# Altium PCB JP-QDB.PcbDoc
Units mm, origin at the board's own origin, x right, y up, seen from the top; angles counter-clockwise.
Board outline 116.48 x 76.48 mm, 2 copper layers (Top Layer, Bottom Layer); 80 components, 54 nets, 235 pads, 0 vias.
Unrouted connection lines stored in the file: 7.
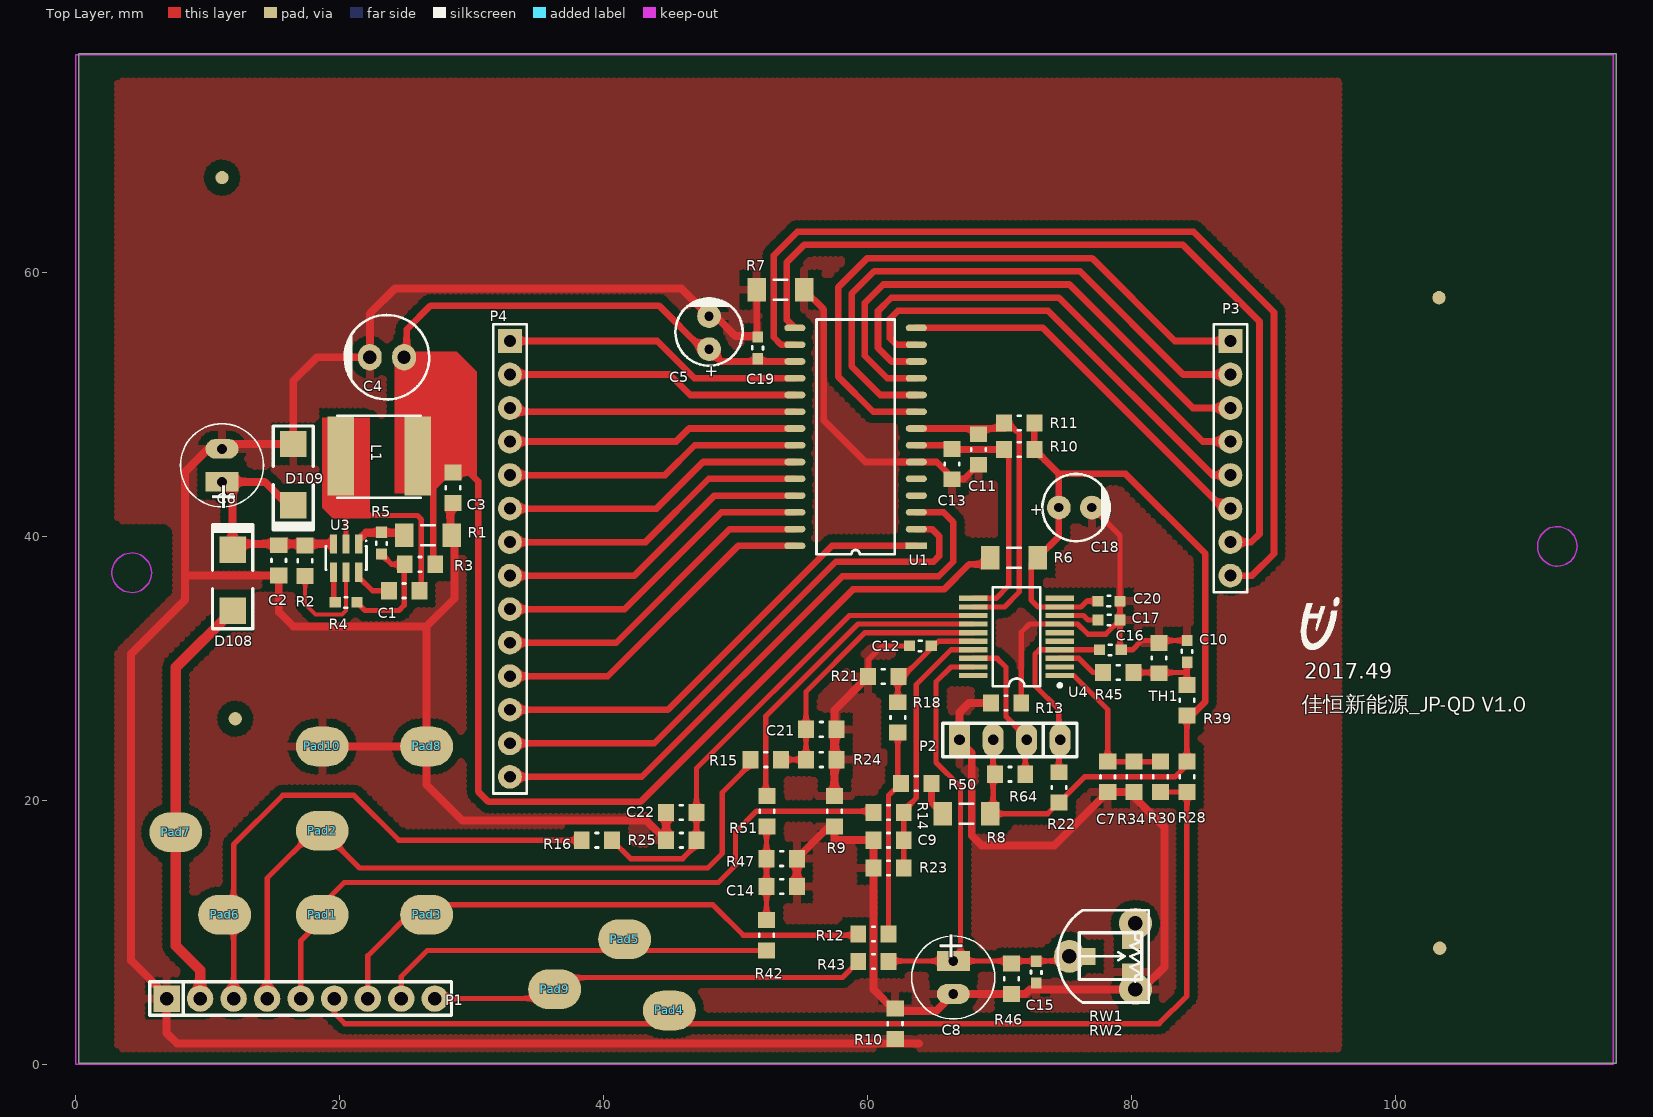
[diagram p0: Top Layer view]
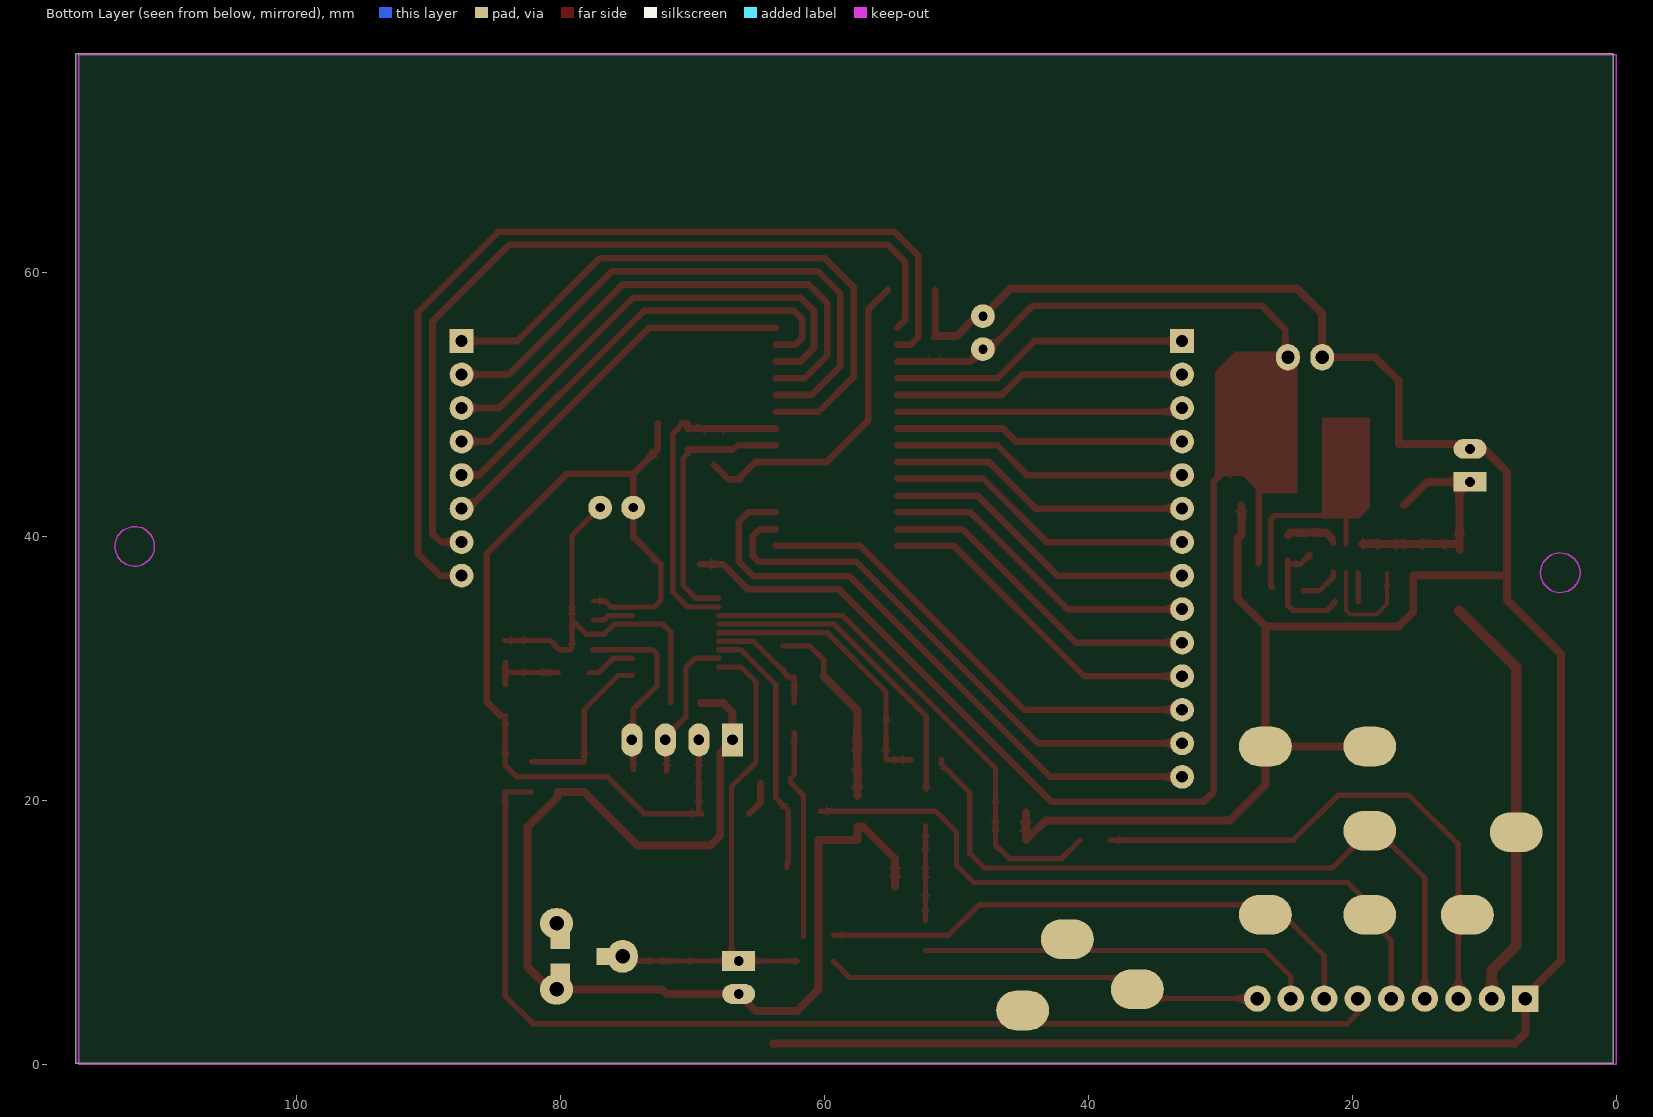
[diagram p1: Bottom Layer view, seen from below]

## Layer stack, top to bottom
Top Solder: solder mask 0.0102, Solder Resist, Dk 3.5
Top Layer: signal copper 0.0356
Dielectric1: dielectric 0.32, FR-4, Dk 4.8
Bottom Layer: signal copper 0.0356
Bottom Solder: solder mask 0.0102, Solder Resist, Dk 3.5

## Board outline
116.7,76.553 116.7,0.077 0.224,0.077 0.224,76.553

## Design rules (kind name [scope] priority, off if disabled: settings)
Clearance [All] p1: gap=0.2
MinimumSolderMaskSliver [All] p1 off: minsoldermaskwidth=0.254
PolygonConnect [All] p1: connectstyle=Relief reliefconductorwidth=0.6 reliefentries=4 polygonreliefangle="90 Angle" airgapwidth=0.6
RoutingVias [All] p1: holewidth=0.711 width=1.27 viastyle="Through Hole" minholewidth=0.711 minwidth=1.27 maxholewidth=0.711 maxwidth=1.27
SilkToSilkClearance [All] p1 off: silktosilkclearance=0.254
SilkToSolderMaskClearance [IsPad] p1 off: minsilkscreentomaskgap=0.254 clearancetoexposedcopper=TRUE
SolderMaskExpansion [All] p1: expansion=0.102
Width [All] p1: maxlimit=254 minlimit=0.254 preferedwidth=0.4
27 further rules are at their usual default settings.

## Components (designator, comment, footprint, x,y, rotation, side; value= is the part's Value field where it differs from the comment)
C1 "1uF" 0805 24.876,35.876 r180 top
C2 "100nF" 0805 15.376,38.176 r270 top
C3 "100nF" 0805 28.576,43.676 r270 top
C4 "220uF/10V" CE-D6.4 24.876,53.576 r180 top
C5 "47uF/10V" CE-D5.2 47.976,54.176 r90 top
C6 "100uF/25V" RB.1/.2 11.076,45.376 r90 top
C7 "100nF" 0805 78.176,21.776 r270 top
C8 "47uF/10V" RB.1/.2 66.476,6.576 r270 top
C9 "100nF" 0805 61.576,16.976 r180 top
C10 "10nF 10V" 0603 84.176,31.276 r90 top
C11 "100p" 0805 68.376,46.576 r90 top
C12 "NI 1nF 10V" 0603 63.976,31.676 r180 top
C13 "100p" 0805 66.376,45.476 r90 top
C14 "100nF" 0805 53.476,13.476 r0 top
C15 "10nF" 0603 72.776,6.976 r270 top
C16 "100n" 0603 78.376,31.376 r180 top
C17 "100n" 0603 78.276,33.676 r0 top
C18 "47uF/10V" CE-D5.2 74.476,42.176 r0 top
C19 "100n" 0603 51.676,54.276 r270 top
C20 "100n" 0603 78.276,35.076 r180 top
C21 "100nF" 0805 56.476,25.376 r0 top
C22 "100nF" 0805 45.876,19.076 r180 top
D108 "M4" SMA 11.876,36.676 r270 top
D109 "SMAJ16A" SMA 16.476,44.676 r90 top
L1 "SLF6045T-6R8N2R0-3PF" L6025 20.076,46.076 r0 top
P1 "Header 9" SIP9 6.876,4.976 r0 top
P2 "Header 4" SIP4 74.576,24.576 r180 top
P3 "Header 8" HDR1X8 87.476,54.799 r270 top
P4 "Header 14" HDR1X14 32.888,54.799 r270 top
Pad1 "Light" PAD 18.676,11.32 r180 top
Pad2 "L" PAD 18.676,17.698 r180 top
Pad3 "Data" PAD 26.576,11.32 r0 top
Pad4 "M" PAD 44.976,4.076 r180 top
Pad5 "M" PAD 41.576,9.476 r0 top
Pad6 "Right" PAD 11.276,11.32 r180 top
Pad7 "Data" PAD 7.576,17.576 r0 top
Pad8 "Data" PAD 26.576,24.076 r180 top
Pad9 "Speed" PAD 36.276,5.676 r180 top
Pad10 "Data" PAD 18.676,24.076 r180 top
R1 "0R" 1206 26.676,40.076 r180 top
R2 "100k 1%" 0805 17.376,38.152 r270 top
R3 "40.2k 1%" 0805 26.076,37.876 r180 top
R4 "10k" 0603 20.476,34.976 r180 top
R5 "7.68k 1%" 0603 23.176,39.476 r270 top
R6 "0R" 1206 71.076,38.376 r0 top
R7 "0R" 1206 53.376,58.676 r0 top
R8 "0R" 1206 67.476,18.976 r0 top
R9 "0R" 0805 57.476,19.176 r90 top
R10 "0R" 0805 62.076,3.076 r270 top
R10 "10k 1%" 0805 71.476,46.576 r0 top (schematic designator "R10 1%")
R11 "10k 1%" 0805 71.476,48.576 r0 top
R12 "0R" 0805 60.426,9.876 r0 top
R13 "0R" 0805 70.476,27.376 r180 top
R14 "51k" 0805 61.576,19.076 r180 top
R15 "51k" 0805 52.276,23.076 r180 top
R16 "51k" 0805 39.476,16.976 r180 top
R18 "10k 125mW" 0805 62.276,26.276 r270 top
R21 "NI 33k 125mW" 0805 61.176,29.376 r180 top
R22 "33k" 0805 74.476,20.976 r270 top
R23 "33k" 0805 61.576,14.876 r180 top
R24 "33k" 0805 56.476,23.076 r0 top
R25 "33k" 0805 45.876,16.976 r180 top
R28 "33k" 0805 84.176,21.776 r270 top
R30 "10k" 0805 82.176,21.776 r270 top
R34 "NI 10k" 0805 80.176,21.776 r270 top
R39 "10k 125mW 1%" 0805 84.176,27.576 r270 top
R42 "100k 1%" 0805 52.326,9.776 r270 top
R43 "100k 1%" 0805 60.426,7.776 r180 top
R45 "10k 125mW" 0805 78.976,29.676 r0 top
R46 "3.3k 1%" 0805 70.876,6.476 r270 top
R47 "3.3k 1%" 0805 53.476,15.576 r0 top
R50 "33k 125mW" 0805 63.676,21.276 r180 top
R51 "10k" 0805 52.376,19.176 r270 top
R64 "10k 1%" 0805 70.776,21.976 r0 top
RW1 "10K" ADJRES 77.976,5.876 r90 top
RW2 "10K" RW1 80.276,5.676 r90 top
TH1 "SDNT2012X103F3450FTF" 0805 82.076,30.776 r270 top
U1 "TM1640" SOP28 63.676,39.276 r180 top
U3 "BL8032CB6TR" SOT23-6 20.476,38.352 r180 top
U4 "STM8S003F3P6TR" SSOP20 71.276,32.376 r90 top

## Footprints (in the part's own frame and the unit in brackets; to place one, negate y for a bottom-side part, rotate by r counter-clockwise, add the part's x,y. Pads: shape width x height; smd on the part's side, far side on the other; paste and mask are expansions set on the pad)
0603 [mm] "Chip Capacitor, 2-Leads, Body 1.6x0.9mm, IPC Medium Density"
  rect 0.85x0.8 smd: 1(-0.826,-0.018) 2(0.826,-0.018)
  silkscreen extent -0.1,-0.42 0.12,0.38, body extent -0.8,-0.42 0.8,0.43, height 0.45
0805 [mm] "Chip Resistor, 2-Leads, Body 1.6x0.9mm, IPC Medium Density"
  rect 1.2x1.3 smd: 1(-1.15,0) 2(1.15,0)
  silkscreen extent -0.1,-0.55 0.1,0.55, body extent -0.9,-0.55 0.94,0.55, height 0.45
1206 [mm]
  rect 1.4x1.8 smd: 1(-1.8,0) 2(1.8,0)
  silkscreen extent -0.5,-0.75 0.5,0.75, body extent -1.65,-0.88 1.65,0.87, height 0.55
ADJRES [mm]
  rect 1.3x1.5 all layers, no hole: 1(2.3,1.475) 2(3.5,-2.025) 3(1.1,-2.025)
  silkscreen extent 0.55,-2.78 4.07,1.95
CE-D5.2 [mm] "100uF/16V"
  round 1.8 hole 0.7: 1(0,0) 2(2.5,0)
  silkscreen extent -1.25,-2.55 3.85,2.55
CE-D6.4 [mm]
  oval 1.8x2 hole 1: 1(0.003,0.012) 2(2.603,0.012)
  silkscreen extent -1.9,-3.19 4.5,3.21
HDR1X8 [mm] "Connector; Header; 8 Position"
  rect 1.8x1.8 hole 0.9: 1(0,0)
  round 1.8 hole 0.9: 2(2.54,0) 3(5.08,0) 4(7.62,0) 5(10.16,0) 6(12.7,0) 7(15.24,0) 8(17.78,0)
  silkscreen extent -1.27,-1.27 19.05,1.27
HDR1X14 [mm] "Connector; Header; 14 Position"
  rect 1.8x1.8 hole 0.9: 1(0,0)
  round 1.8 hole 0.9: 2(2.54,0) 3(5.08,0) 4(7.62,0) 5(10.16,0) 6(12.7,0) 7(15.24,0) 8(17.78,0) 9(20.32,0) 10(22.86,0) 11(25.4,0) 12(27.94,0) 13(30.48,0) 14(33.02,0)
  silkscreen extent -1.27,-1.27 34.29,1.27
L6025 [mm]
  rect 2x6 smd: 1(0,0) 2(5.826,0)
  Top Layer pour cut-out: 1.016,1.524 4.826,1.524 4.826,-1.524 1.016,-1.524
  silkscreen extent -0.26,-3.15 6.06,3.05, body extent -0.08,-3 5.92,3, height 4
PAD [mm]
  oval 4x3 all layers, no hole: 1(0,0)
RB.1/.2 [mm] "100uF/16V"
  rect 1.5x2.5 hole 0.75: 1(-1.25,0)
  oval 1.5x2.5 hole 0.75: 2(1.25,0)
  silkscreen extent -3.15,-3.15 3.15,3.15
RW1 [mm]
  oval 2.3x2.5 hole 1.1: 1(0,0) 2(5,0)
  oval 2.5x2.3 hole 1.1: 3(2.5,5)
  silkscreen extent -1,-1 6,5.89
SIP4 [mm]
  oval 1.6x2.5 hole 0.813: 1(0,0) 2(2.54,0) 3(5.08,0)
  rect 1.6x2.5 hole 0.813: 4(7.62,0)
  silkscreen extent -1.27,-1.27 8.89,1.27
SIP9 [mm]
  rect 2x2 hole 1.016: 1(0,0)
  round 2 hole 1.016: 2(2.54,0) 3(5.08,0) 4(7.62,0) 5(10.16,0) 6(12.7,0) 7(15.24,0) 8(17.78,0) 9(20.32,0)
  silkscreen extent -1.27,-1.27 21.59,1.27
SMA [mm] "Molded Diode, 2-Leads, Body 5.2x2.6mm, IPC Medium Density"
  rect 2x2 smd: 1(2.318,0) 2(-2.318,0)
  silkscreen extent -4.19,-1.52 3.68,1.52
SOP28 [mm]
  rect 1.6x0.5 smd: 1(0,0)
  oval 1.6x0.5 smd: 2(0,-1.27) 3(0,-2.54) 4(0,-3.81) 5(0,-5.08) 6(0,-6.35) 7(0,-7.62) 8(0,-8.89) 9(0,-10.16) 10(0,-11.43) 11(0,-12.7) 12(0,-13.97) 13(0,-15.24) 14(0,-16.51) 15(9.2,-16.51) 16(9.2,-15.24) 17(9.2,-13.97) 18(9.2,-12.7) 19(9.2,-11.43) 20(9.2,-10.16) 21(9.2,-8.89) 22(9.2,-7.62) 23(9.2,-6.35) 24(9.2,-5.08) 25(9.2,-3.81) 26(9.2,-2.54) 27(9.2,-1.27) 28(9.2,0)
  silkscreen extent 1.63,-17.14 7.57,0.64
SOT23-6 [mm] "SOT-457/SC-74; 6 Leads; Body 3.1 x 3.2 mm, inc. leads (LxW max)"
  rect 0.55x1.45 smd: 1(-0.95,-1.075) 2(0,-1.075) 3(0.95,-1.075) 4(0.95,1.075) 5(0,1.075) 6(-0.95,1.075)
  silkscreen extent -1.58,-1.35 1.55,0.9
SSOP20 [mm] "SSOP, Plastic; 20 Leads; Body Width 5.3 mm; Pitch 0.65 mm"
  rect 0.4x2.15 smd: 1(-2.925,-3.275) 2(-2.275,-3.275) 3(-1.625,-3.275) 4(-0.975,-3.275) 5(-0.325,-3.275) 6(0.325,-3.275) 7(0.975,-3.275) 8(1.625,-3.275) 9(2.275,-3.275) 10(2.925,-3.275) 11(2.925,3.275) 12(2.275,3.275) 13(1.625,3.275) 14(0.975,3.275) 15(0.325,3.275) 16(-0.325,3.275) 17(-0.975,3.275) 18(-1.625,3.275) 19(-2.275,3.275) 20(-2.925,3.275)
  silkscreen extent -3.8,-3.4 3.75,1.8

## Part data
C1: library part WHLCAP
C2 C3 C7 C9 C10 C12 C14 C15 C17 C21 C22: library part CAP, "Capacitor"
C4 C6 C8: library part ELECTRO1, "Electrolytic Capacitor"
C5 C18: library part Capacitor
C11 C13 C16 C19 C20: library part Cap
D108: library part DIODE, "Diode"
D109: library part DO-214AC_SMAJ, "5.1V,500mW,323"
L1: library part WHLL
P1: "Header, 9-Pin"
P2: "Header, 4-Pin"
P3: "Header, 8-Pin"
P4: "Header, 14-Pin"
Pad1 Pad2 Pad3 Pad4 Pad5 Pad6 Pad7 Pad8 Pad9 Pad10: library part CON1, "Connector"
R1 R2 R3 R4 R5 R6 R7 R8 R9 R10 R12 R13 R14 R15 R16 R18 R21 R22 R23 R24 R25 R28 R30 R34 R42 R43 R45 R46 R47 R50 R51 R64: library part WHLRES
R10 R11: library part RES1
R39: library part Res2, "Resistor"
RW1 RW2: library part RW1
TH1: library part "Res Varistor", "Varistor (Voltage-Sensitive Resistor)"
U3: library part BL8032
U4: library part STM8S003F3P6

## Free pads (board coordinates)
  round 1 smd: 0(11.076,67.176) 0(12.076,26.176)
  round 1.016 smd: 0(103.276,58.076) 0(103.328,8.793)
  round 2.2 on Top Solder: 1(11.103,67.168) 1(12.051,26.151) 1(103.303,8.768) 1(103.303,58.068)

## Nets (pads, with @x,y where several pads share a name; then routed paths per layer and width w, separated by ;. In a path a pad name is that pad's centre, name@x,y a point inside that pad or via, vN(x,y) a via of type N, cw(c..) or ccw(c..) an arc to the next point about the centre after c; other vN are vias at no path point)
+5V: C3.1 C4.1 C5.1 C18.1 C19.2 C20.2 L1.2 P2.3 R3.1 R6.1 R6.2 R8.1 R8.2 R10.2@72.626,46.576 R11.2 R22.2 R28.1 R39.2 R50.1 R64.1 U1.17 U4.9 | length 199.5
  Top Layer w0.4: R8.2 73.626,18.976 R22.2 76.426,21.776 83.276,21.776 84.176,22.676 R28.1 R39.2 ; P2.3@69.396,24.576 P2.3@69.396,25.476 ; R8.2@69.496,19.196 P2.3 ; R6.2 72.676,38.176 72.376,37.876 72.376,35.176 72.901,34.651 U4.9 76.151,34.651 76.594,35.094 C20.2
  Top Layer w0.5: L1.2@26.173,46.347 25.076,47.445 25.076,55.676 26.876,57.476 44.176,57.476 47.476,54.176 C5.1 48.906,53.246 U1.17 ; L1.2@26.252,44.826 C3.1 29.826,44.826 30.476,44.176 30.476,20.676 31.276,19.876 42.776,19.876 58.876,35.976 65.776,35.976 67.676,37.876 R6.1@69.376,37.876 ; R3.1@27.076,37.976 27.076,44.252 ; 64.826,20.526 R50.1 64.826,19.826 R8.1 ; R11.2 72.626,46.576 74.476,44.726 ; R6.2@72.676,38.176 R6.2@72.876,38.176 ; R6.2 74.476,39.976 74.476,44.726 ; R39.2@84.526,26.426 85.576,27.476 85.576,38.676 79.526,44.726 74.476,44.726
+12V: D108.1 P1.2 Pad7.1 | length 31.9
  Top Layer w0.8: P1.2 9.416,7.136 7.576,8.976 Pad7.1 7.576,30.058 D108.1
+12V_IN: C2.1 C6.1 D108.2 D109.2 R2.1 U3.3 | length 18.7
  Top Layer w0.6: C6.1@10.776,44.126 14.308,44.126 D109.2@16.076,42.358 ; D108.2 D108.2@11.876,39.427 ; C6.1@11.876,44.276 D108.2@11.876,39.427 ; U3.3@19.276,39.427 D108.2@11.876,39.427
+B: P1.8 Pad5.1 R42.2 | length 30.2
  Top Layer w0.4: P1.8 24.656,6.656 26.626,8.626 R42.2
AD_B+: R51.1 U4.14 | length 24.1
  Top Layer w0.4: R51.1@52.276,20.876 52.276,26.376 59.251,33.351 U4.14
DATA1: C12.1 R18.1 R21.1 U4.16 | length 8.5
  Top Layer w0.4: R18.1 R21.1@62.276,29.326 ; R21.1@62.576,29.276 65.351,32.051 U4.16
DATA1_CN: P1.7 Pad3.1 R12.1 | length 43
  Top Layer w0.4: P1.7 22.116,8.216 25.976,12.076 48.276,12.076 50.576,9.776 R12.1@59.276,9.776
DIN: C13.2 R10.1@70.326,46.576 U1.7 U4.11 | length 19.8
  Top Layer w0.4: U4.11 69.701,35.301 70.676,36.276 70.676,37.276 70.676,37.576 70.676,45.926 R10.1@70.326,46.276
  Top Layer w0.5: U1.7 C13.2@66.5,46.896 ; C13.2@66.876,46.626 66.926,46.576 70.326,46.576 R10.1@70.326,46.276
GND: C2.2 C3.2 C4.2 C5.2 C6.2 C7.2 C8.2 C9.2 C10.2 C11.1 C12.2 C13.1 C14.2 C15.2 C16.1 C17.2 C18.2 C19.1 C20.1 C21.2 C22.2 D109.1 P1.1 P2.4 Pad8.1 Pad10.1 R1.1 R1.2 R5.1 R7.1 R7.2 R9.1 R9.2 R10.1@62.076,4.226 R10.2@62.076,1.926 R13.1 R13.2 R21.2 R23.2 R24.2 R25.2 R34.2 R46.2 R47.2 RW1.3 RW2.1 TH1.1 U1.6 U3.1 U4.7 | length 398.2
  Top Layer w0.4: U3.1 U3.1@21.426,39.626 ; R24.2 C21.2 ; R21.2 60.026,30.626 61.094,31.694 C12.2 ; R13.1 71.626,32.726 72.251,33.351 U4.7 75.901,33.351 76.676,32.576 78.02,32.576 C17.2 ; C18.2 79.101,40.05 C20.1 C17.2 ; C16.1@79.101,31.494 C17.2 ; C16.1 80.044,31.394 80.751,32.101 C10.2
  Top Layer w0.5: R7.1 51.576,55.183 C19.1 ; R7.2 56.676,57.176 56.676,48.776 59.826,45.626 U1.6 65.226,45.626 C13.1@66.526,44.326 ; C13.1 C13.1@66.526,44.326 ; C13.1@66.876,44.326 C13.1@66.526,44.326 ; C11.1 67.276,44.326 C13.1@66.526,44.326
  Top Layer w0.6: 8.276,37.026 8.276,44.876 10.393,46.993 D109.1@16.076,46.993 ; D109.1 16.476,51.776 18.264,53.564 C4.2 22.273,56.873 24.176,58.776 45.876,58.776 C5.2 48.476,56.676 49.969,55.183 C19.1@51.576,55.183 ; Pad10.1 Pad8.1 ; U3.1@21.576,39.876 21.976,40.276 24.676,40.276 R1.2 ; 26.276,33.176 16.476,33.176 15.376,34.276 C2.2 8.326,37.026 8.276,36.976 8.276,35.176 4.176,31.076 4.176,7.876 6.876,5.176 P1.1 6.876,2.376 7.676,1.576 63.876,1.576 ; R1.1@28.376,40.076 C3.2@28.376,42.326 ; R1.1 28.676,39.876 28.676,35.276 26.576,33.176 Pad8.1 ; C22.2 R25.2 43.226,18.476 29.276,18.476 26.576,21.176 Pad8.1 ; C14.2 R47.2 57.076,18.026 R9.1 57.476,16.976 C9.2 R23.2 60.426,5.676 62.076,4.026 65.176,4.026 C8.2 R46.2 71.933,5.326 72.283,5.676 RW2.1 80.776,5.676 82.476,7.376 82.476,17.976 80.176,20.276 R34.2 C7.2 74.126,16.576 68.626,16.576 67.876,17.326 67.876,23.576 66.856,24.596 P2.4@66.856,25.476 ; R9.2 57.476,26.826 R21.2 ; P2.4 66.956,26.656 67.676,27.376 R13.2
GRID1: P4.1 U1.18 | length 22.8
  Top Layer w0.254: P4.1 P4.1@33.076,54.799
  Top Layer w0.5: P4.1@33.076,54.799 44.053,54.799 46.876,51.976 U1.18
GRID2: P4.2 U1.19 | length 22.2
  Top Layer w0.5: P4.2 44.993,52.259 46.546,50.706 U1.19
GRID3: P4.3 U1.20 | length 21.3
  Top Layer w0.5: P4.3@33.17,49.436 U1.20
GRID4: P4.4 U1.21 | length 22
  Top Layer w0.254: P4.4 P4.4@33.076,47.179
  Top Layer w0.5: P4.4@33.076,47.179 45.479,47.179 46.466,48.166 U1.21
GRID5: P4.5 U1.22 | length 22.5
  Top Layer w0.5: P4.5 44.639,44.639 46.896,46.896 U1.22
GRID6: P4.6 U1.23 | length 23
  Top Layer w0.5: P4.6 43.999,42.099 47.526,45.626 U1.23
GRID7: P4.7 U1.24 | length 23.6
  Top Layer w0.5: P4.7 43.159,39.559 47.956,44.356 U1.24
GRID8: P4.8 U1.25 | length 24.1
  Top Layer w0.5: P4.8 42.319,37.019 48.386,43.086 U1.25
GRID9: P4.9 U1.26 | length 24.6
  Top Layer w0.5: P4.9 41.579,34.479 48.916,41.816 U1.26
GRID10: P4.10 U1.27 | length 25.2
  Top Layer w0.5: P4.10 40.939,31.939 49.546,40.546 U1.27
GRID11: P4.11 U1.28 | length 25.7
  Top Layer w0.5: P4.11 40.299,29.399 50.176,39.276 U1.28
GRID12: P4.12 U1.1 | length 35.9
  Top Layer w0.5: P4.12 44.859,26.859 57.276,39.276 U1.1
GRID13: P4.13 U1.2 | length 41.9
  Top Layer w0.5: P4.13 43.819,24.319 57.576,38.076 64.976,38.076 65.406,38.506 65.406,40.016 64.876,40.546 U1.2
GRID14: P4.14 U1.3 | length 46.4
  Top Layer w0.5: P4.14 42.879,21.779 58.076,36.976 65.376,36.976 66.476,38.076 66.476,41.076 65.736,41.816 U1.3
MODE1: C7.1 R30.1 R34.1 U4.1 | length 12.6
  Top Layer w0.4: U4.1 75.601,29.451 78.176,26.876 C7.1 R30.1
MODE1_CN: P1.6 Pad4.1 R28.2 R30.2 | length 84.4
  Top Layer w0.4: P1.6 19.576,3.876 20.376,3.076 82.076,3.076 84.176,5.176 R28.2 R30.2
NetC1_1: C1.1 L1.1 U3.2 | length 15.3
  Top Layer w0.4: U3.2 L1.1@20.476,43.076 ; L1.1@20.576,43.276 22.276,41.576 25.876,41.576 26.176,41.276 26.176,36.226 C1.1@26.026,36.076
NetC1_2: C1.2 U3.6 | length 3.1
  Top Layer w0.4: U3.6 21.426,36.926 22.476,35.876 C1.2
NetC10_1: C10.1 R39.1 R45.2 TH1.2 | length 5.7
  Top Layer w0.4: R45.2 84.076,29.676 ; R39.1 C10.1@84.176,30.432
NetC14_1: C14.1 R42.1 R47.1 R51.2 | length 7.2
  Top Layer w0.4: R42.1@52.326,10.876 R42.1 C14.1 R47.1 R51.2@52.326,18.076
NetC17_1: C17.1 U4.8 | length 3
  Top Layer w0.4: U4.8 76.351,34.001 76.694,33.658 C17.1
NetR2_2: R2.2 U3.5 | length 8.8
  Top Layer w0.3: R2.2@17.376,37.202 17.376,34.876 18.176,34.076 20.176,34.076 20.476,34.376 U3.5
NetR3_2: R3.2 R4.1 R5.2 | length 9.8
  Top Layer w0.4: R4.1 21.92,34.376 24.476,34.376 24.876,34.776 R3.2@24.876,37.876 ; R4.1@21.301,35.07 R4.1@21.496,34.876 ; R5.2 23.932,37.876 R3.2@24.876,37.876 ; R3.2@24.876,38.176 R3.2@24.876,37.876 ; R3.2 R3.2@24.876,37.876
NetR4_2: R4.2 U3.4 | length 2.2
  Top Layer w0.4: R4.2@19.55,35.07 U3.4@19.55,37.252
NetR12_2: R12.2 R18.2 R50.2 | length 15.6
  Top Layer w0.4: R12.2@61.576,9.676 61.576,20.376 62.526,21.326 R50.2@62.526,21.676 ; R50.2@62.276,21.926 R18.2
NRST: C16.2 P2.1 R22.1 U4.4 | length 14.5
  Top Layer w0.4: R22.1@74.476,22.326 74.476,26.876 72.676,28.676 72.676,31.076 73.001,31.401 U4.4 C16.2@77.544,31.401
SCLK: C11.2 R11.1 U1.8 U4.12 | length 24.1
  Top Layer w0.4: U4.12 70.351,34.651 71.476,35.776 71.476,47.776 R11.1@70.676,48.576
  Top Layer w0.5: U1.8 R11.1@70.366,48.166 ; R11.1 R11.1@70.676,48.576
SEG1: P3.1 U1.9 | length 47
  Top Layer w0.5: U1.9 60.416,49.436 57.776,52.076 57.776,58.876 59.976,61.076 76.976,61.076 83.253,54.799 P3.1
SEG2: P3.2 U1.10 | length 43.9
  Top Layer w0.5: U1.10 60.946,50.706 58.776,52.876 58.776,58.376 60.476,60.076 76.076,60.076 83.893,52.259 P3.2
SEG3: P3.3 U1.11 | length 40.8
  Top Layer w0.5: U1.11 61.476,51.976 59.776,53.676 59.776,57.676 61.176,59.076 75.276,59.076 84.633,49.719 P3.3
SEG4: P3.4 U1.12 | length 37.8
  Top Layer w0.5: U1.12 61.806,53.246 60.776,54.276 60.776,57.076 61.776,58.076 74.476,58.076 85.373,47.179 P3.4
SEG5: P3.5 U1.13 | length 34.9
  Top Layer w0.5: U1.13 62.176,54.516 61.676,55.016 61.676,56.476 62.276,57.076 73.676,57.076 86.113,44.639 P3.5
SEG6: P3.6 U1.14 | length 29.5
  Top Layer w0.5: U1.14 73.266,55.786 86.953,42.099 P3.6
SEG7: P3.7 U1.15 | length 62.5
  Top Layer w0.5: U1.15 53.876,56.386 53.876,60.776 55.176,62.076 83.876,62.076 89.676,56.276 89.676,40.176 89.059,39.559 P3.7
SEG8: P3.8 U1.16 | length 71.5
  Top Layer w0.5: U1.16 53.436,54.516 52.876,55.076 52.876,61.276 54.676,63.076 84.676,63.076 90.776,56.976 90.776,38.676 89.119,37.019 P3.8
SPEED: C8.1 C15.1 R43.1 R46.1 RW1.1 RW2.3 U4.19 | length 37.7
  Top Layer w0.4: R43.1@62.026,7.826 C8.1 ; C8.1@66.876,7.976 66.876,7.826 RW2.3@74.926,7.826 ; C8.1@67.026,7.976 67.026,21.026 65.176,22.876 65.176,28.976 66.301,30.101 U4.19
SPEED_CN: P1.9 Pad9.1 R43.2 | length 33.5
  Top Layer w0.4: P1.9@26.976,4.876 P1.9@27.136,5.036 ; P1.9 35.576,4.976 Pad9.1 37.176,6.576 58.076,6.576 R43.2
SWIM: P2.2 R64.2 U4.18 | length 11.8
  Top Layer w0.4: U4.18 69.801,30.751 70.476,30.076 70.476,26.336 P2.2@71.936,24.876 ; R64.2@71.936,22.186 P2.2@71.936,24.876 ; P2.2@71.936,25.476 P2.2@71.936,24.876
TH1: R45.1 U4.3 | length 3.7
  Top Layer w0.4: U4.3 76.001,30.751 77.076,29.676 R45.1
右转: C22.1 R16.1 R25.1 U4.13 | length 39
  Top Layer w0.4: R16.1 42.026,15.576 45.976,15.576 47.026,16.626 R25.1 C22.1 47.026,22.426 58.601,34.001 U4.13
右转_CN: P1.3 Pad6.1 R16.2 | length 41
  Top Layer w0.4: P1.3 11.956,16.656 15.676,20.376 21.076,20.376 24.476,16.976 R16.2
大灯: C9.1 R14.1 R23.1 U4.17 | length 19.8
  Top Layer w0.4: R23.1@62.726,15.276 C9.1 R14.1 62.726,19.226 63.676,20.176 63.676,28.776 66.301,31.401 U4.17 ; R23.1@62.776,15.176 R23.1@62.826,15.176 ; R23.1@62.826,14.876 R23.1@62.826,15.176 ; R23.1@62.826,15.276 R23.1@62.826,15.176
大灯_CN: P1.5 Pad1.1 R14.2 | length 53.9
  Top Layer w0.4: P1.5 17.036,9.336 18.8,11.1 18.8,12.24 20.336,13.776 48.676,13.776 49.976,15.076 49.976,17.576 51.576,19.176 R14.2@60.326,19.176
左转: C21.1 R15.1 R24.1 U4.15 | length 22.2
  Top Layer w0.4: R15.1 R24.1 55.326,24.476 ; 55.326,23.876 55.326,24.476 ; U4.15 59.801,32.701 55.326,28.226 55.326,24.476
左转_CN: P1.4 Pad2.1 R15.2 | length 54.9
  Top Layer w0.4: P1.4 14.496,14.096 18.276,17.876 18.676,17.876 Pad2.1@18.765,17.787 ; Pad2.1 21.498,14.876 47.876,14.876 48.976,15.976 48.976,20.576 51.126,22.726 R15.2
pads on no net: RW1.2 RW2.2 U1.4 U1.5 U4.2 U4.5 U4.6 U4.10 U4.20

## Polygon pours and split planes (outlines as drawn)
GND on Top Layer "Bottom Layer-No Net 1" (hatched 90Degree grid 0.4 track 0.6, remove dead copper, pour order 4): 3.176,74.476 3.176,41.176 6.976,41.176 7.576,40.576 7.576,38.076 7.576,35.576 5.576,33.576 3.176,31.176 3.176,28.676 3.176,1.176 95.676,1.176 95.676,74.476

## Keep-outs
Keep-Out Layer:
  circle w0.1: c112.238,39.238 r1.5
  circle w0.1: c4.238,37.238 r1.5
  lines w0.1: 0,0 0,20.79 0,39.738 0,53.79 0,76.476 20.686,76.476 93.79,76.476 116.476,76.476 116.476,53.79 116.476,20.79 116.476,0 93.79,0 21.79,0 0,0

## Other copper
Top Layer:
  pour cut-out: 21.976,49.176 24.807,49.176 24.876,49.107 24.876,47.776 22.076,47.776 21.976,47.876
  region net NetC1_1: 18.676,42.176 19.476,41.376 22.276,41.376 22.276,48.976 18.676,48.976
  region net +5V: 24.776,53.676 24.176,53.076 24.176,43.276 25.576,43.276 27.176,43.276 27.176,43.476 28.276,44.576 30.376,44.576 30.376,52.476 28.876,53.976 25.276,53.976

## Silkscreen, mask and mechanical layers (free items; w line width, h text height)
Top Overlay:
  drawing of 2 lines, arcs and shapes, not listed
  text "2017.49" at 93.076,28.776 h2.03
  text "佳恒新能源_JP-QD V1.0" at 92.876,26.276 h2.03
Mechanical 1:
  circle w0.1: c112.238,39.238 r1.5
  circle w0.1: c4.238,37.238 r1.5
  lines w0.1: 93.79,76.476 20.686,76.476 0,76.476 ; 94.686,0 22.686,0 0,0 ; 0,0 0,20.79 ; 0,0 21.79,0 93.79,0 116.476,0 ; 0,0 0,20.79 ; 0,20.79 0,39.738 0,53.79 ; 0,20.79 0,53.79 ; 0,53.79 0,76.476 ; 0,76.476 22.686,76.476 95.79,76.476 116.476,76.476 116.476,53.79 ; 116.476,0 116.476,20.79 ; 116.476,0 116.476,20.79 ; 116.476,20.79 116.476,53.79 ; 116.476,20.79 116.476,39.738 116.476,53.79

## Text inside footprints (layer, text, board x,y; h text height)
C5: Top Overlay "+" at 48.576,51.976 h0.89 r90
C6: Top Overlay "+" at 12.092,41.82 h2.03 r90
C8: Top Overlay "+" at 65.46,10.132 h2.03 r270
C18: Top Overlay "+" at 72.276,41.576 h0.89